# Altium PCB drive.PcbDoc (part 1 of 2)
Units mm, origin at the board's own origin, x right, y up, seen from the top; angles counter-clockwise.
Board outline 250 x 128 mm, 2 copper layers (Top Layer, Bottom Layer); 178 components, 157 nets, 674 pads, 176 vias.
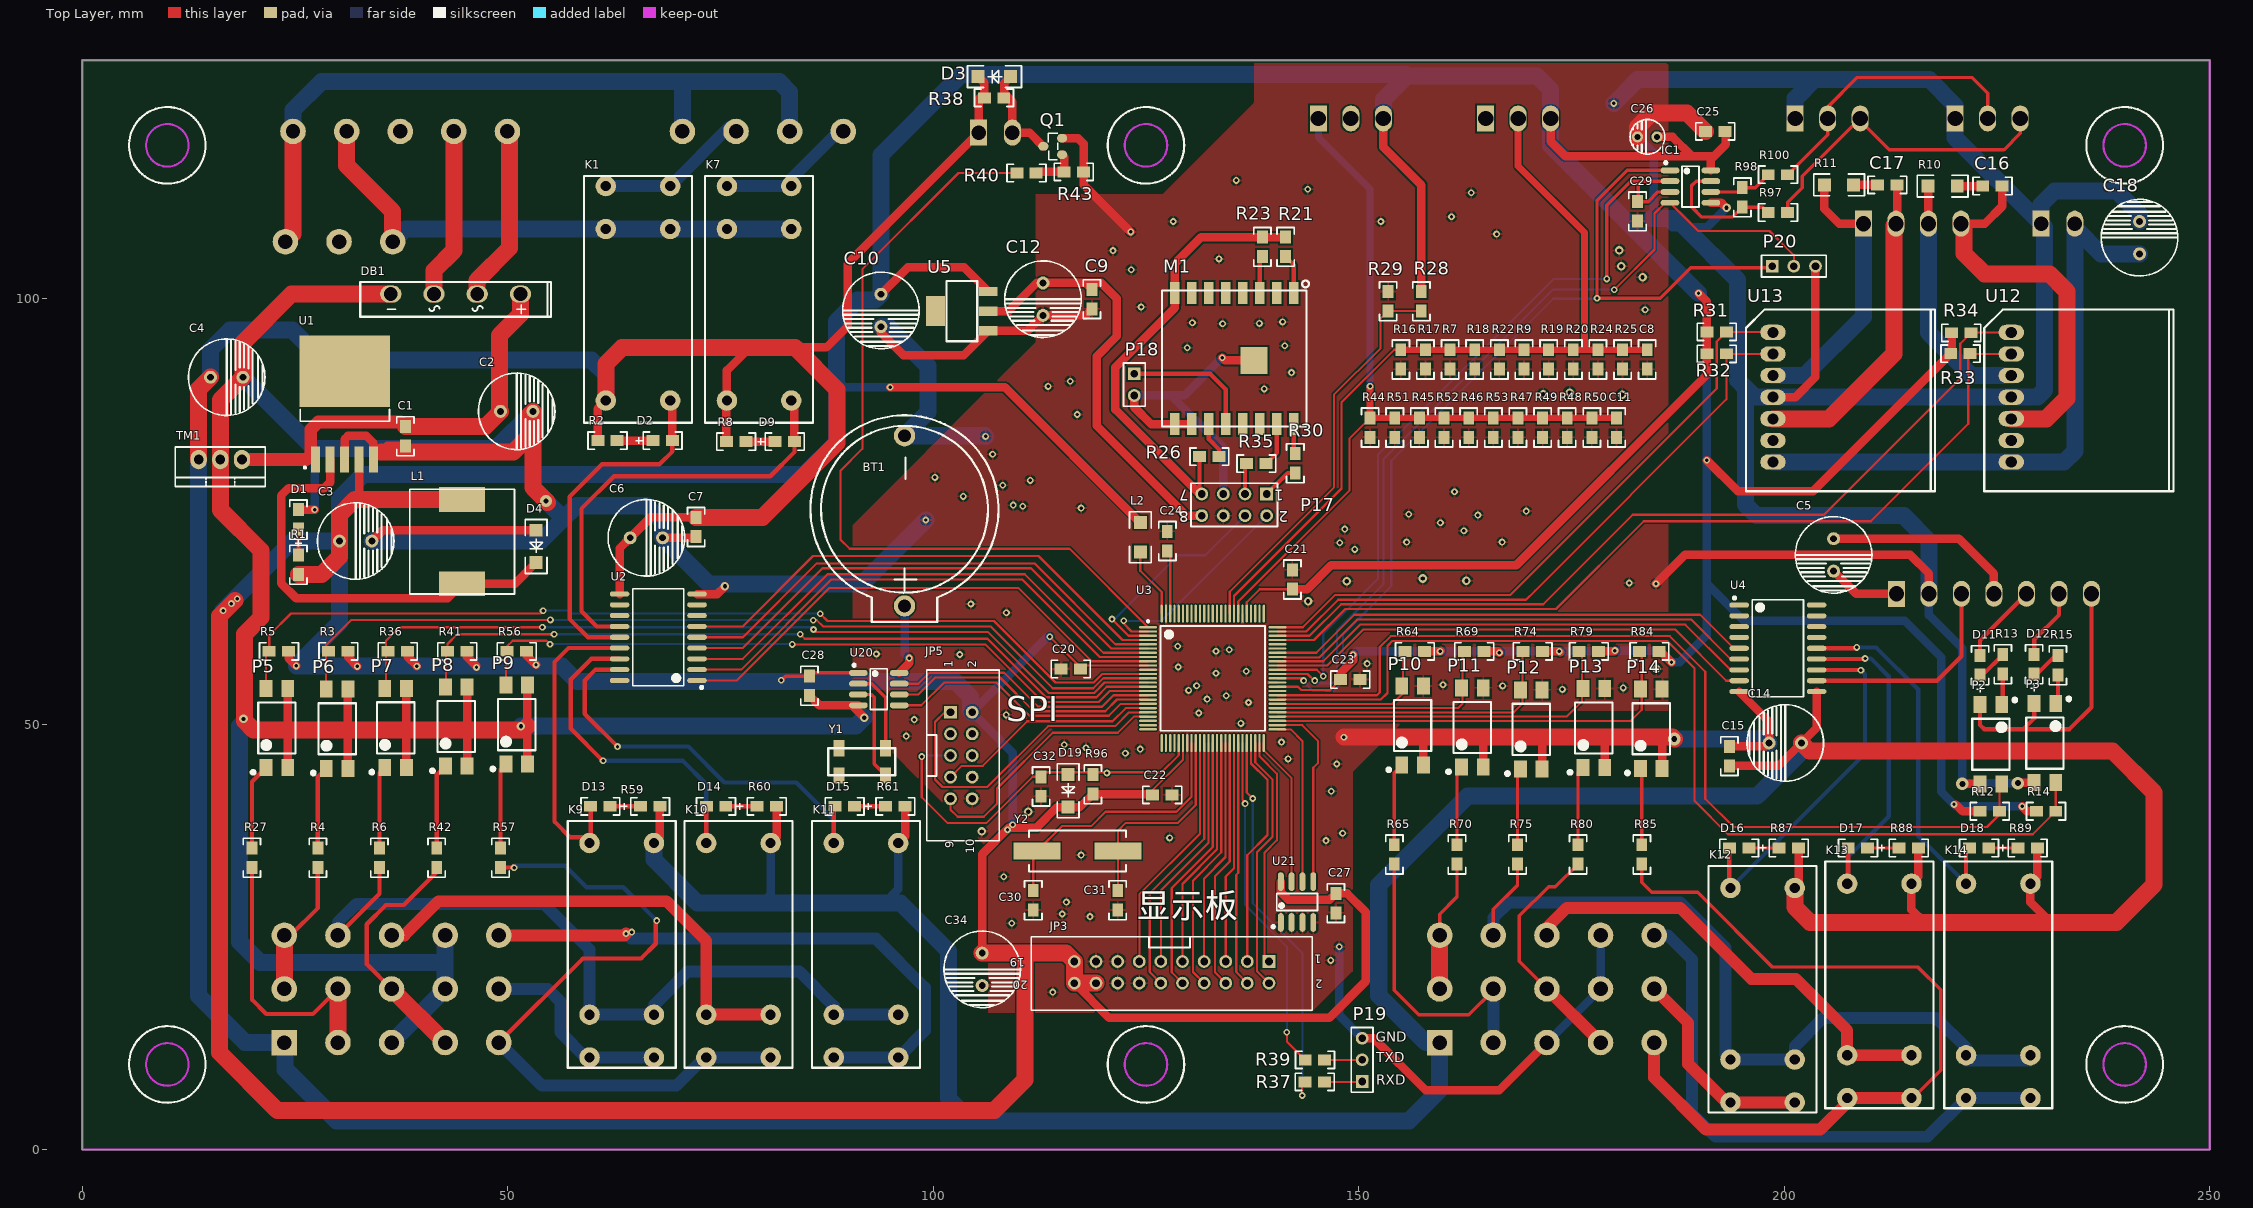
[diagram p0: Top Layer view]
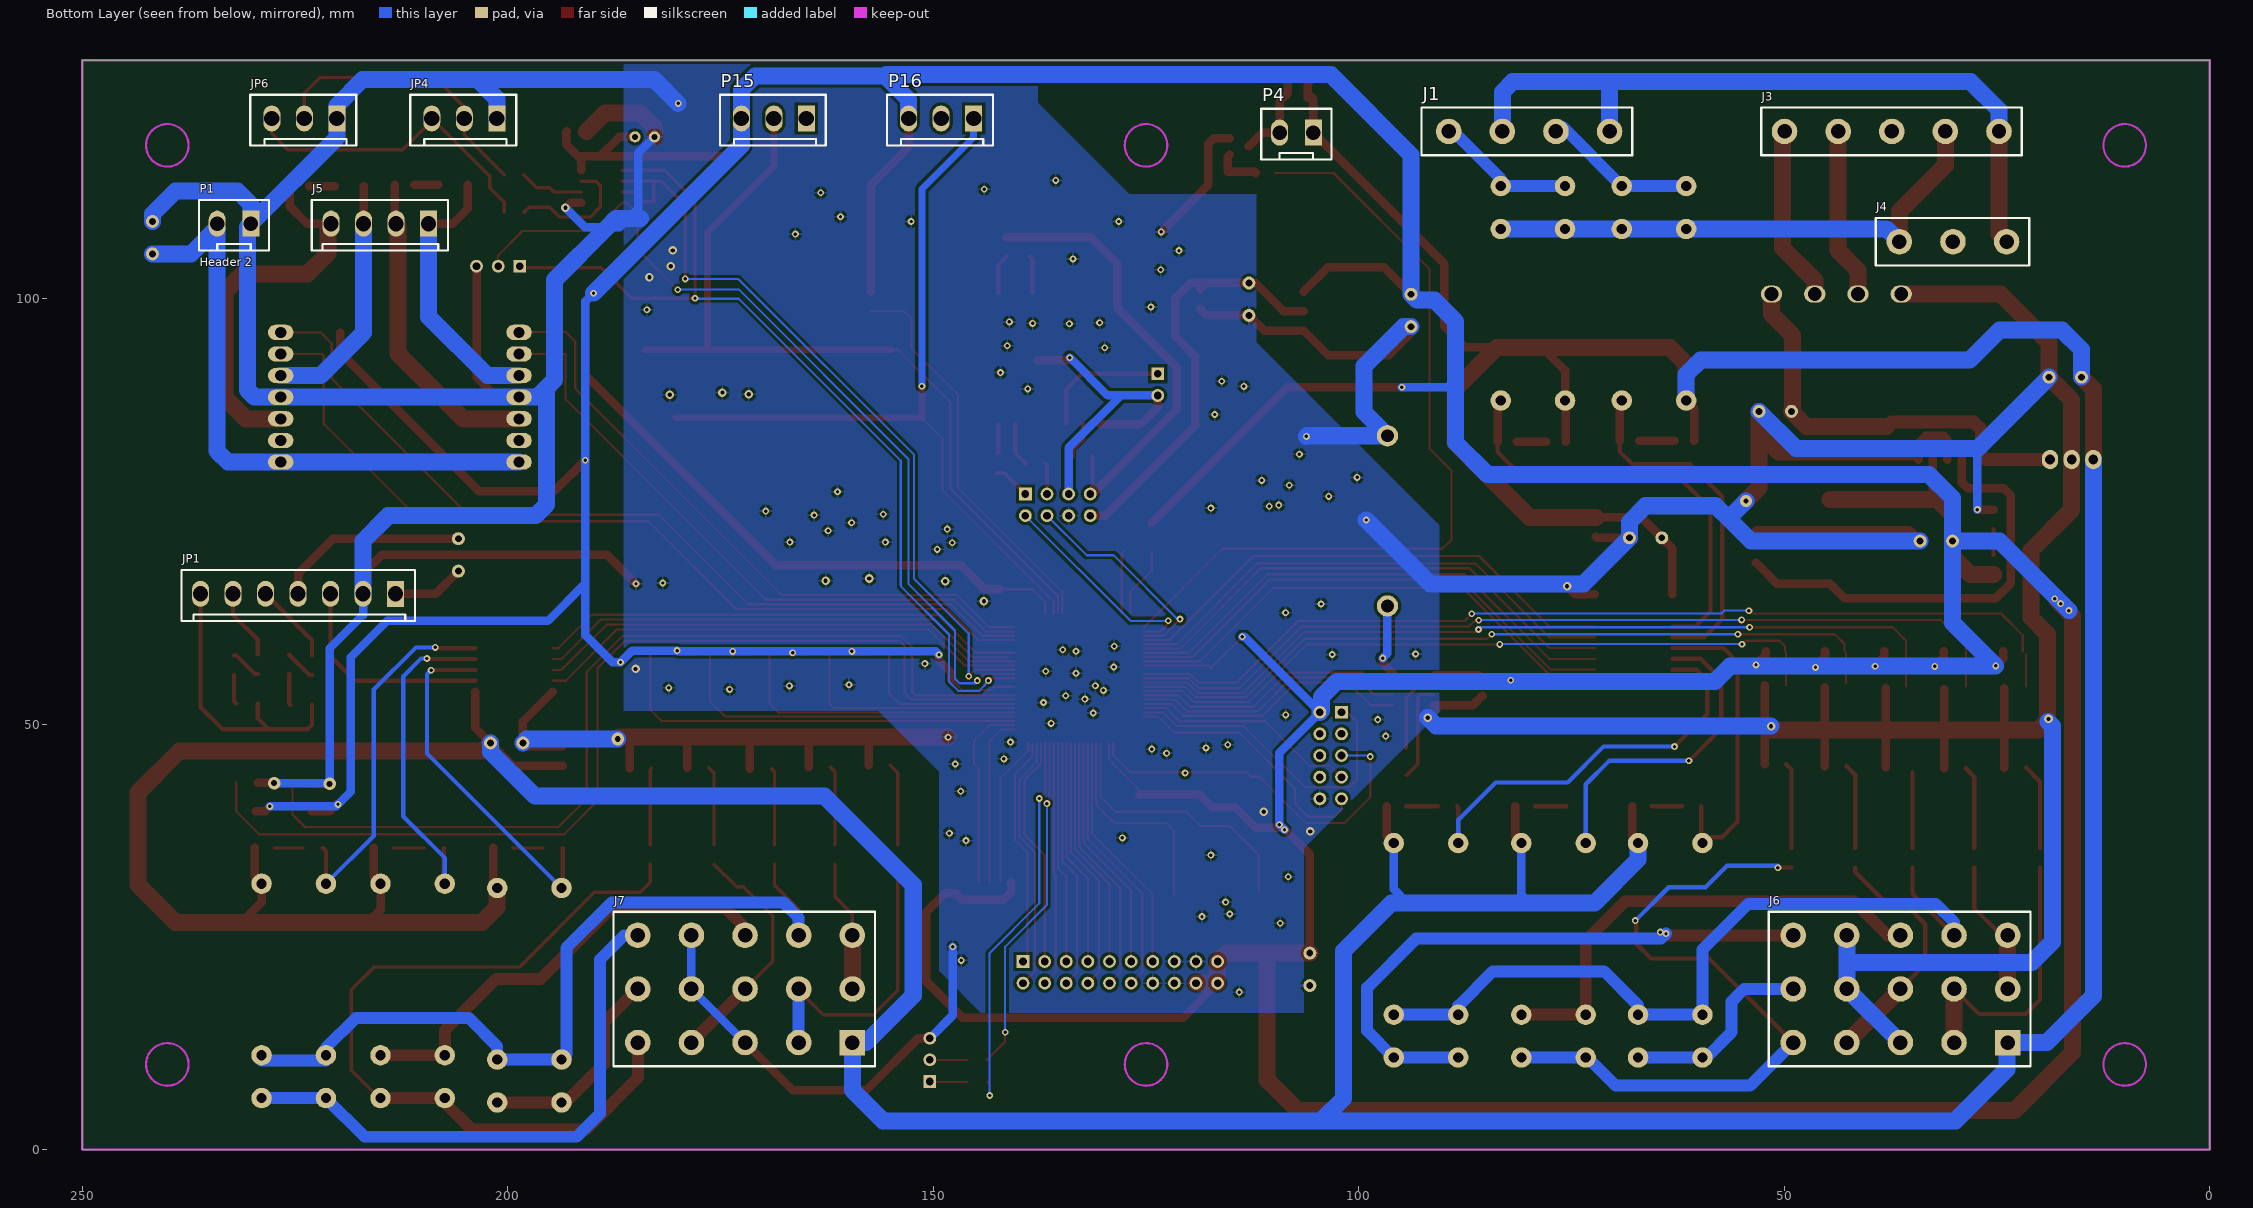
[diagram p1: Bottom Layer view, seen from below]

## Layer stack, top to bottom
Top Solder: solder mask 0.0102, Solder Resist, Dk 3.5
Top Layer: signal copper 0.0356
Dielectric1: dielectric 0.32, FR-4, Dk 4.8
Bottom Layer: signal copper 0.0356
Bottom Solder: solder mask 0.0102, Solder Resist, Dk 3.5

## Board outline
0,0 0,128 250,128 250,0

## Design rules (kind name [scope] priority, off if disabled: settings)
Clearance [All] p1: gap=0.2
ComponentClearance [All] p1 off: gap=0.254 collisioncheckmode=3 verticalgap=0.254 showdistances=FALSE
PlaneConnect [All] p1: planeconnectstyle=Direct reliefexpansion=0.508 reliefentries=4 reliefconductorwidth=0.254 reliefairgap=0.254
PolygonConnect [All] p1: connectstyle=Relief reliefconductorwidth=0.254 reliefentries=4 polygonreliefangle="90 Angle" airgapwidth=0.254
RoutingVias [All] p1: holewidth=0.711 width=1.27 viastyle="Through Hole" minholewidth=0.711 minwidth=1.27 maxholewidth=0.711 maxwidth=1.27
SilkToSolderMaskClearance SilkscreenOverComponentPads [IsPad] p1: minsilkscreentomaskgap=0.254 clearancetoexposedcopper=TRUE
SolderMaskExpansion [All] p1: expansion=0.102
Width [All] p1: maxlimit=5 minlimit=0.254 preferedwidth=0.3 minimp=50.000000 maximp=50.000000 favimp=50.000000
27 further rules are at their usual default settings.

## Components (designator, comment, footprint, x,y, rotation, side; value= is the part's Value field where it differs from the comment)
BT1 "干电池" BAT-TH_BS-2-1 96.625,73.875 r0 top
C1 "104" 0805 37.973,82.677 r90 top
C2 "470UF/50V" CD9 50.8,86.741 r90 top
C3 "220uF" CD9 31.877,71.501 r90 top
C4 "470UF" CD9 16.725,90.75 r90 top
C5 "220uF" CD9 205.8,70.125 r0 top
C6 "220uF" CD9 66.04,71.882 r90 top
C7 "104" 0805 72.136,72.009 r90 top
C8 "103" 0805 183.896,91.694 r90 top
C9 "104" 0805 118.65,101.075 r270 top
C10 "470UF/50V" CD9 93.85,98.85 r0 top
C11 "103" 0805 180.289,83.693 r90 top
C12 "470UF/50V" CD9 112.9,100.175 r0 top
C14 "220uF" CD9 200.375,47.775 r270 top
C15 "104" 0805 193.548,47.371 r270 top
C16 "104" 0805 223.325,113.225 r0 top
C17 "104" 0805 210.975,113.35 r0 top
C18 "470uF/50V" CD9 241.75,106.9 r180 top
C20 "104" 0805 115.011,56.464 r0 top
C21 "104" 0805 142.2,68.125 r270 top
C22 "104" 0805 128.05,41.675 r180 top
C23 "104" 0805 150.15,55.225 r180 top
C24 "104" 0805 127.508,72.644 r270 top
C25 "104" 0805 193.04,119.634 r180 top
C26 "10UF/25V" cap 183.769,119.126 r0 top
C27 "104" 0805 147.32,27.813 r90 top
C28 "104" 0805 85.45,53.35 r90 top
C29 "104" 0805 182.753,109.093 r90 top
C30 "22pf" 0805 111.75,28.15 r90 top
C31 "22pf" 0805 121.675,28.15 r90 top
C32 "104" 0805 112.67,41.514 r90 top
C34 "470UF/50V" CD9 105.75,21.425 r0 top
D1 "04" LED-T 25.527,74.041 r90 top
D2 "04" LED-T 68.199,83.185 r0 top
D3 "IN4148" DO-214AC 106.175,126.45 r90 top
D4 "IN5819" DO-214AC 52.959,69.85 r180 top
D9 "04" LED-T 82.55,83.058 r0 top
D11 "04" LED-T 223.139,56.896 r90 top
D12 "04" LED-T 229.489,57.023 r90 top
D13 "04" LED-T 60.885,40.455 r180 top
D14 "04" LED-T 74.474,40.455 r180 top
D15 "04" LED-T 89.587,40.455 r180 top
D16 "04" LED-T 194.691,35.56 r180 top
D17 "04" LED-T 208.661,35.56 r180 top
D18 "04" LED-T 222.885,35.56 r180 top
D19 "1N4148" DO-214AC 115.464,41.133 r180 top
DB1 "DB157S" LC-GBU 43.875,100.525 r0 top
IC1 "MAX458" SOIC-8_150mil 188.976,113.157 r270 top
J1 "CON4" 4PIN-6.3 70.525,119.634 r0 bottom
J3 "变压器入" 5PIN-6.3 24.765,119.634 r0 bottom
J4 "220V供电" 3PIN-6.3 23.876,106.68 r0 bottom
J5 "CON4" "4PIN 3.96" 213.125,108.8 r0 bottom
J6 "3*15JR" 3*5PIN-6.3 23.749,12.573 r0 bottom
J7 "3*15JR" 3*5PIN-6.3 159.512,12.573 r0 bottom
JP1 "HEADER 7" "7PIN 3.96" 217,65.3 r0 bottom
JP3 "HEADER 10X2" HDR2X10 139.446,22.098 r180 top
JP4 "RS485" "3PIN 3.96" 205.105,121.158 r0 bottom
JP5 "排针" "HDR2X5 - duplicate - duplicate" 102.032,51.384 r270 top
JP6 "RS485" "3PIN 3.96" 223.901,121.158 r0 bottom
K1 "HF115F/024-1HS3" HF115FA 69.088,88.011 r90 top
K7 "HF115F/024-1HS3" HF115FA 83.312,88.011 r90 top
K9 "HF115F/024-1HS3" HF115FA 59.615,36.01 r270 top
K10 "HF115F/024-1HS3" HF115FA 73.331,36.01 r270 top
K11 "HF115F/024-1HS3" HF115FA 88.317,36.01 r270 top
K12 "HF115F/024-1HS3" HF115FA 193.675,30.734 r270 top
K13 "HF115F/024-1HS3" HF115FA 207.391,31.242 r270 top
K14 "HF115F/024-1HS3" HF115FA 221.361,31.242 r270 top
L1 "330uH" SMD331 38.481,65.278 r0 top
L2 "10uH" 1206 124.333,70.231 r90 top
M1 "ESP-07S Module" "ESP-07S Module" 134.6,92.95 r270 top
P1 "Header 2" "2PIN 3.96" 234.137,108.8 r0 bottom
P2 "PC817" LC-SMD-4 224.282,47.625 r270 top
P3 "PC817" LC-SMD-4 230.632,47.752 r270 top
P4 "Header 2" "2PIN 3.96" 109.3,119.5 r0 bottom
P5 "PC817" LC-SMD-4 22.875,49.525 r90 top
P6 "PC817" LC-SMD-4 29.95,49.45 r90 top
P7 "PC817" LC-SMD-4 36.825,49.55 r90 top
P8 "PC817" LC-SMD-4 43.95,49.7 r90 top
P9 "PC817" LC-SMD-4 51.05,49.925 r90 top
P10 "PC817" LC-SMD-4 156.325,49.825 r90 top
P11 "PC817" LC-SMD-4 163.35,49.6 r90 top
P12 "PC817" LC-SMD-4 170.275,49.375 r90 top
P13 "PC817" LC-SMD-4 177.625,49.525 r90 top
P14 "PC817" LC-SMD-4 184.375,49.45 r90 top
P15 "Header 3" "3PIN 3.96" 168.725,121.158 r0 bottom
P16 "Header 3" "3PIN 3.96" 149.075,121.158 r0 bottom
P17 "Header 4X2" HDR2X4 139.175,77.025 r180 top
P18 "Header 2" HDR1X2 123.625,91.15 r270 top
P19 "串口打印" HDR1X3 150.4,8 r90 top
P20 "串口打印" HDR1X3 198.585,103.8 r0 top
Q1 "8050" "SOT-23 - duplicate" 113.975,117.825 r90 top
R1 "2K" 0805 25.4,69.85 r270 top
R2 "10k" 0805 62.865,83.312 r180 top
R3 "10k" 0805 28.956,58.547 r0 top
R4 "4.7K" 0805 27.686,33.147 r90 top
R5 "10k" 0805 21.971,58.547 r0 top
R6 "4.7K" 0805 34.925,33.147 r90 top
R7 "47K" 0805 160.731,91.694 r90 top
R8 "10k" 0805 77.978,83.185 r180 top
R9 "47K" 0805 169.418,91.694 r90 top
R10 "22" 1206 216.9,113.2 r0 top
R11 "22" 1206 204.725,113.35 r0 top
R12 "10k" 0805 223.012,39.751 r0 top
R13 "4.7K" 0805 225.679,58.166 r270 top
R14 "10k" 0805 229.616,39.751 r0 top
R15 "4.7K" 0805 232.156,58.039 r270 top
R16 "47K" 0805 154.94,91.694 r90 top
R17 "47K" 0805 157.836,91.694 r90 top
R18 "47K" 0805 163.627,91.694 r90 top
R19 "47K" 0805 172.314,91.694 r90 top
R20 "47K" 0805 175.209,91.694 r90 top
R21 "4.7K" 0805 141.4,104.925 r90 top
R22 "47K" 0805 166.522,91.694 r90 top
R23 "4.7K" 0805 138.675,104.925 r90 top
R24 "47K" 0805 178.105,91.694 r90 top
R25 "47K" 0805 181,91.694 r90 top
R26 "4.7K" 0805 131.3,81.425 r0 top
R27 "4.7K" 0805 19.939,33.147 r90 top
R28 "10K" 0805 157.35,98.525 r90 top
R29 "NTC" 0805 153.45,100.825 r270 top
R30 "510" 0805 142.539,79.501 r90 top
R31 "5K1" 0805 193.2,96.075 r180 top
R32 "5K1" 0805 193.2,93.5 r180 top
R33 "5K1" 0805 221.85,93.525 r180 top
R34 "5K1" 0805 221.95,95.975 r180 top
R35 "510" 0805 136.825,80.6 r0 top
R36 "10k" 0805 35.941,58.547 r0 top
R37 "510" 0805 145.975,7.95 r180 top
R38 "10K" 0805 108.286,123.575 r180 top
R39 "510" 0805 146,10.525 r180 top
R40 "470" 0805 109.814,114.75 r0 top
R41 "10k" 0805 42.926,58.547 r0 top
R42 "4.7K" 0805 41.656,33.147 r90 top
R43 "10K" 0805 117.661,114.875 r180 top
R44 "47K" 0805 151.333,83.693 r90 top
R45 "47K" 0805 157.124,83.693 r90 top
R46 "47K" 0805 162.916,83.693 r90 top
R47 "47K" 0805 168.707,83.693 r90 top
R48 "47K" 0805 174.498,83.693 r90 top
R49 "47K" 0805 171.602,83.693 r90 top
R50 "47K" 0805 177.394,83.693 r90 top
R51 "47K" 0805 154.229,83.693 r90 top
R52 "47K" 0805 160.02,83.693 r90 top
R53 "47K" 0805 165.811,83.693 r90 top
R56 "10k" 0805 49.911,58.547 r0 top
R57 "4.7K" 0805 49.149,33.147 r90 top
R59 "10k" 0805 65.584,40.328 r0 top
R60 "10k" 0805 79.3,40.328 r0 top
R61 "10k" 0805 94.413,40.328 r0 top
R64 "10k" 0805 155.448,58.532 r0 top
R65 "4.7K" 0805 154.178,33.528 r90 top
R69 "10k" 0805 162.433,58.532 r0 top
R70 "4.7K" 0805 161.544,33.528 r90 top
R74 "10k" 0805 169.291,58.532 r0 top
R75 "4.7K" 0805 168.656,33.528 r90 top
R79 "10k" 0805 175.895,58.532 r0 top
R80 "4.7K" 0805 175.768,33.528 r90 top
R84 "10k" 0805 183.007,58.532 r0 top
R85 "4.7K" 0805 183.261,33.528 r90 top
R87 "10k" 0805 199.39,35.433 r0 top
R88 "10k" 0805 213.487,35.433 r0 top
R89 "10k" 0805 227.457,35.433 r0 top
R96 "10k" 0805 118.766,44.054 r270 top
R97 "20" 0805 198.12,110.109 r0 top
R98 "120" 0805 195.072,110.744 r90 top
R100 "20" 0805 198.12,114.554 r0 top
TM1 "LM7824CT" TO-220 16.225,81.075 r180 top
U1 "LM2575-5" D2PAK 37.211,89.535 r90 top
U2 "ULN2803" SOP-18_300mil 67.691,60.198 r90 top
U3 "ATmega2560" TQFP100 132.842,55.372 r0 top
U4 "ULN2803" SOP-18_300mil 199.25,58.9 r270 top
U5 "AMS1117-3.3_C166063" SOT-223_L6.7-W3.5-P2.30-BR 103.375,98.525 r0 top
U12 "TB6643KQ" "TA8428 - S" 226.675,96.025 r270 top
U13 "TB6643KQ" "TA8428 - S" 198.675,96.025 r270 top
U20 "DS1302" SOIC-8_150mil 93.599,54.102 r270 top
U21 "AT24C02" SOIC-8_150mil 142.748,29.083 r0 top
Y1 "X803832768KGD4GI" YSX306 94.4,47.15 r180 top
Y2 "14.7456MHZ" HC-49SMD 116.95,35.075 r0 top

## Footprints (in the part's own frame and the unit in brackets; to place one, negate y for a bottom-side part, rotate by r counter-clockwise, add the part's x,y. Pads: shape width x height; smd on the part's side, far side on the other; paste and mask are expansions set on the pad)
"2PIN 3.96" [mm]
  rect 2x3.048 hole 1.7: 1(-3.96,0)
  oval 2x3.048 hole 1.7: 2(0,0)
  silkscreen extent -6.1,-2.79 2.16,3.17
3*5PIN-6.3 [mm]
  rect 3x3 hole 1.7: 1(0,0)
  round 3 hole 1.7: 2(6.3,0) 3(12.6,0) 4(18.9,0) 5(25.2,0) 6(0,-6.3) 7(6.3,-6.3) 8(12.6,-6.3) 9(18.9,-6.3) 10(25.2,-6.3) 11(0,-12.6) 12(6.3,-12.6) 13(12.6,-12.6) 14(18.9,-12.6) 15(25.2,-12.6)
  silkscreen extent -2.67,-15.37 28.07,2.79
"3PIN 3.96" [mm]
  rect 2x3.048 hole 1.8: 1(-3.82,0)
  oval 2x3.048 hole 1.8: 2(0,0) 3(3.82,0)
  silkscreen extent -6.1,-2.79 6.35,3.17
3PIN-6.3 [mm]
  round 3 hole 1.7: 1(0,0) 2(6.3,0) 3(12.6,0)
  silkscreen extent -2.67,-2.79 15.37,2.79
"4PIN 3.96" [mm]
  rect 2x3.048 hole 1.8: 1(-3.82,0)
  oval 2x3.048 hole 1.8: 2(0,0) 3(3.82,0) 4(7.64,0)
  silkscreen extent -6.1,-2.79 9.91,3.17
4PIN-6.3 [mm]
  round 3 hole 1.7: 1(0,0) 2(6.3,0) 3(12.6,0) 4(18.9,0)
  silkscreen extent -2.67,-2.79 22.1,2.79
5PIN-6.3 [mm]
  round 3 hole 1.7: 1(0,0) 2(6.3,0) 3(12.6,0) 4(18.9,0) 5(25.2,0)
  silkscreen extent -2.67,-2.79 27.94,2.79
"7PIN 3.96" [mm]
  rect 2x3.048 hole 1.8: 1(-3.82,0)
  oval 2x3.048 hole 1.8: 2(0,0) 3(3.82,0) 4(7.64,0) 5(11.46,0) 6(15.28,0) 7(19.1,0)
  silkscreen extent -6.1,-2.79 21.34,3.17
0805 [mil]
  rect 60x50 smd: 1(0,0) 2(90,0)
  silkscreen extent -45,-40 135,40
1206 [mil]
  rect 60x60 smd: 1(0,0) 2(135,0)
  silkscreen extent -50,-50 185,50
BAT-TH_BS-2-1 [mm]
  round 2.5 hole 1.5: 1(0,-10) 2(0,10)
  silkscreen extent -11.05,-11.9 11.04,12.4
cap [mm] "电?"
  round 1.3 hole 0.7: 1(1.27,-0.127) 2(-1.016,-0.127)
  silkscreen extent -1.89,-2.17 2.19,1.91, body extent -1.96,-2.23 2.23,1.97, height 8
CD9 [mil]
  round 60 hole 31.5: 1(0,65) 2(0,-85)
  silkscreen extent -177,-187 177,167, body extent -181,-191 181,171, height 50
D2PAK [mm] "LM-2575"
  rect 3.05x1.05 smd: 1(-8.451,9.779) 2(-8.451,8.077) 3(-8.451,6.375) 4(-8.451,4.673) 5(-8.451,2.971)
  rect 8.4x10.65 smd: ""(1.899,6.35)
  silkscreen extent -9.52,1.1 -2.57,11.6, body extent -8.7,1.47 5.7,11.47, height 4.21
DO-214AC [mil]
  rect 60x60 smd: 1(-15,-115) 2(-15,35)
  silkscreen extent -65,-165 35,85
"ESP-07S Module" [mm]
  rect 3.2x3.2 smd: 0(0.22,3.092)
  rect 2.6x1.1 smd: 1(-7.7,7.775) 2(-7.7,5.762) 3(-7.7,3.775) 4(-7.7,1.775) 5(-7.7,-0.225) 6(-7.7,-2.225) 7(-7.7,-4.225) 8(-7.7,-6.225) 9(7.7,-6.225) 10(7.7,-4.225) 11(7.7,-2.225) 12(7.7,-0.225) 13(7.7,1.775) 14(7.7,3.775) 15(7.7,5.775) 16(7.7,7.769)
  silkscreen extent -9.16,-7.73 8,9.55
HC-49SMD [mm]
  rect 5.5x2 smd: 1(-4.75,0) 2(4.75,0)
  silkscreen extent -5.7,-2.4 5.7,2.4, body extent -6.7,-2.46 6.7,2.44, height 4
HDR1X2 [mm] "Connector; Header; 2 Position"
  rect 1.5x1.5 hole 0.9: 1(0,0)
  round 1.5 hole 0.9: 2(2.54,0)
  silkscreen extent -1.27,-1.27 3.81,1.27
HDR1X3 [mm] "Connector; Header; 3 Position"
  rect 1.5x1.5 hole 0.9: 1(0,0)
  round 1.5 hole 0.9: 2(2.54,0) 3(5.08,0)
  silkscreen extent -1.27,-1.27 6.35,1.27
HDR2X4 [mm] "Connector; Header; 4x2 Position"
  rect 1.5x1.5 hole 0.9: 1(0,0)
  round 1.5 hole 0.9: 2(0,2.54) 3(2.54,0) 4(2.54,2.54) 5(5.08,0) 6(5.08,2.54) 7(7.62,0) 8(7.62,2.54)
  silkscreen extent -1.27,-1.27 8.89,3.81
"HDR2X5 - duplicate - duplicate" [mm] "Connector; Header; 5x2 Position"
  rect 1.5x1.5 hole 0.9: 1(0,0)
  round 1.5 hole 0.9: 2(0,2.54) 3(2.54,0) 4(2.54,2.54) 5(5.08,0) 6(5.08,2.54) 7(7.62,0) 8(7.62,2.54) 9(10.16,0) 10(10.16,2.54)
  silkscreen extent -4.95,-2.79 15.11,5.72, body extent -4.79,-3.18 15.21,5.32, height 9
HDR2X10 [mm] "Connector; Header; 10x2 Position"
  rect 1.5x1.5 hole 0.9: 1(0,0)
  round 1.5 hole 0.9: 2(0,2.54) 3(2.54,0) 4(2.54,2.54) 5(5.08,0) 6(5.08,2.54) 7(7.62,0) 8(7.62,2.54) 9(10.16,0) 10(10.16,2.54) 11(12.7,0) 12(12.7,2.54) 13(15.24,0) 14(15.24,2.54) 15(17.78,0) 16(17.78,2.54) 17(20.32,0) 18(20.32,2.54) 19(22.86,0) 20(22.86,2.54)
  silkscreen extent -5.08,-2.92 27.94,5.72
HF115FA [mm]
  round 2.4 hole 1.2: 1(20.16,7.56) 2(25.2,7.56) 3(20.16,0) 4(25.2,0) 5(0,7.56) 6(0,0)
  silkscreen extent -2.6,-2.57 26.4,10.13
LC-GBU [mm]
  oval 2.5x2 hole 1.6: 1(-2.54,0) 2(2.54,0) 3(7.62,0) 4(-7.62,0)
  silkscreen extent -11.2,-2.67 11.2,1.4
LC-SMD-4 [mm]
  rect 2x1.5 smd: 1(-4.65,1.27) 2(-4.65,-1.27) 3(4.65,-1.27) 4(4.65,1.27)
  silkscreen extent -5.4,-2.2 3,3, body extent -5.02,-2.42 5.01,2.42, height 3.9
LED-T [mil]
  rect 60x50 smd: 1(-45,5) 2(45,5)
  silkscreen extent -125,-35 90,45, body extent -34,-20 44,30, height 28
SMD331 [mm]
  rect 5.4x2.9 smd: 1(6.15,1.2) 2(6.15,11.1)
  silkscreen extent 0,0 12.32,12.32
SOIC-8_150mil [mm]
  oval 0.7x2.2 smd: 1(-1.905,-2.4) 2(-0.635,-2.4) 3(0.635,-2.4) 4(1.905,-2.4) 5(1.905,2.4) 6(0.635,2.4) 7(-0.635,2.4) 8(-1.905,2.4)
  silkscreen extent -2.95,-3.05 2.4,1
SOP-18_300mil [mm]
  oval 0.6x2.3 smd: 1(-5.08,-4.55) 2(-3.81,-4.55) 3(-2.54,-4.55) 4(-1.27,-4.55) 5(0,-4.55) 6(1.27,-4.55) 7(2.54,-4.55) 8(3.81,-4.55) 9(5.08,-4.55) 10(5.08,4.55) 11(3.81,4.55) 12(2.54,4.55) 13(1.27,4.55) 14(0,4.55) 15(-1.27,4.55) 16(-2.54,4.55) 17(-3.81,4.55) 18(-5.08,4.55)
  silkscreen extent -6.05,-5.25 5.7,3
"SOT-23 - duplicate" [mil]
  oval 40x47.24 smd: B(-35.98,-45.98) C(2.01,40.98) E(40,-45.98)
  silkscreen extent -59,-26 62,18
SOT-223_L6.7-W3.5-P2.30-BR [mm]
  rect 2.2x1.1 smd: 1(3.099,-2.3) 2(3.099,0) 3(3.099,2.3)
  rect 2.2x3.5 smd: 4(-3.099,0)
  silkscreen extent -1.8,-3.55 1.8,3.55
"TA8428 - S" [mm]
  oval 1.8x3 hole 1.3: 1(0,0) 2(2.54,0) 3(5.08,0) 4(7.62,0) 5(10.16,0) 6(12.7,0) 7(15.24,0)
  silkscreen extent -2.67,-3.17 18.67,19.05
TO-220 [mil]
  oval 75x90 hole 45: 1(-100,0) 2(0,0) 3(100,0)
  silkscreen extent -208,-58 208,125
TQFP100 [mm]
  oval 2.1x0.275 smd: 1(-7.6,6) 2(-7.6,5.5) 3(-7.6,5) 4(-7.6,4.5) 5(-7.6,4) 6(-7.6,3.5) 7(-7.6,3) 8(-7.6,2.5) 9(-7.6,2) 10(-7.6,1.5) 11(-7.6,1) 12(-7.6,0.5) 13(-7.6,0) 14(-7.6,-0.5) 15(-7.6,-1) 16(-7.6,-1.5) 17(-7.6,-2) 18(-7.6,-2.5) 19(-7.6,-3) 20(-7.6,-3.5) 21(-7.6,-4) 22(-7.6,-4.5) 23(-7.6,-5) 24(-7.6,-5.5) 25(-7.6,-6) 51(7.6,-6) 52(7.6,-5.5) 53(7.6,-5) 54(7.6,-4.5) 55(7.6,-4) 56(7.6,-3.5) 57(7.6,-3) 58(7.6,-2.5) 59(7.6,-2) 60(7.6,-1.5) 61(7.6,-1) 62(7.6,-0.5) 63(7.6,0) 64(7.6,0.5) 65(7.6,1) 66(7.6,1.5) 67(7.6,2) 68(7.6,2.5) 69(7.6,3) 70(7.6,3.5) 71(7.6,4) 72(7.6,4.5) 73(7.6,5) 74(7.6,5.5) 75(7.6,6)
  oval 0.275x2.1 smd: 26(-6,-7.6) 27(-5.5,-7.6) 28(-5,-7.6) 29(-4.5,-7.6) 30(-4,-7.6) 31(-3.5,-7.6) 32(-3,-7.6) 33(-2.5,-7.6) 34(-2,-7.6) 35(-1.5,-7.6) 36(-1,-7.6) 37(-0.5,-7.6) 38(0,-7.6) 39(0.5,-7.6) 40(1,-7.6) 41(1.5,-7.6) 42(2,-7.6) 43(2.5,-7.6) 44(3,-7.6) 45(3.5,-7.6) 46(4,-7.6) 47(4.5,-7.6) 48(5,-7.6) 49(5.5,-7.6) 50(6,-7.6) 76(6,7.6) 77(5.5,7.6) 78(5,7.6) 79(4.5,7.6) 80(4,7.6) 81(3.5,7.6) 82(3,7.6) 83(2.5,7.6) 84(2,7.6) 85(1.5,7.6) 86(1,7.6) 87(0.5,7.6) 88(0,7.6) 89(-0.5,7.6) 90(-1,7.6) 91(-1.5,7.6) 92(-2,7.6) 93(-2.5,7.6) 94(-3,7.6) 95(-3.5,7.6) 96(-4,7.6) 97(-4.5,7.6) 98(-5,7.6) 99(-5.5,7.6) 100(-6,7.6)
  silkscreen extent -7.72,-6.15 6.15,6.82, body extent -8,-8 8,8, height 1.2
YSX306 [mm]
  rect 1.3x1.9 smd: 0(5.5,3.2) 0(5.5,0) 1(0,0) 2(0,3.2)
  silkscreen extent -1.14,0 6.73,3.18

## Part data
BT1: "Battery"
C1 C7 C8 C11 C15 C16 C17 C20 C21 C22 C23 C24 C25 C27 C28 C29 C30 C31 C32: library part Cap, "Capacitor"
C2 C3 C4 C5 C6 C14 C18 C26 C34: library part "Cap Pol1", "Polarized Capacitor (Radial)"
C9: library part CAP
C10 C12: library part ECAP
D1 D2 D9 D11 D12 D13 D14 D15 D16 D17 D18: library part LED0, "Typical INFRARED GaAs LED"
D3 D4: library part "D Zener", "Zener Diode"
D19: library part "Diode 1N4148", "High Conductance Fast Diode"
DB1: library part BRIDGE2
IC1: library part MAX485
J1 J5: "Connector"
J3: library part CON5, "Connector"
J4: library part CON3, "Connector"
J6 J7 U12 U13: library part Component_1
JP4 JP6: library part "HEADER 3"
JP5: library part "Header 5X2", "Header, 5-Pin, Dual row"
K1 K7 K9 K10 K11 K12 K13 K14: library part RELAY-DPST
L1 L2: library part Inductor, "Inductor"
P1 P4 P18: "Header, 2-Pin"
P2 P3 P5 P6 P7 P8 P9 P10 P11 P12 P13 P14: library part P521
P15 P16: "Header, 3-Pin"
P17: "Header, 4-Pin, Dual row"
P19 P20: library part "Header 3", "Header, 3-Pin"
Q1: library part BC817-8050
R1 R2 R3 R4 R5 R6 R7 R8 R9 R10 R11 R12 R13 R14 R15 R16 R17 R18 R19 R20 R21 R22 R23 R24 R25 R26 R27 R30 R31 R32 R33 R34 R35 R36 R37 R38 R39 R40 R41 R42 R43 R44 R45 R46 R47 R48 R49 R50 R51 R52 R53 R56 R57 R59 R60 R61 R64 R65 R69 R70 R74 R75 R79 R80 R84 R85 R87 R88 R89 R96 R97 R98 R100: library part Res2, "Resistor"
R28 R29: library part RES
U1: library part LM2575
U3: library part ATmega1280
U5: library part AMS1117-1.5_C166063
U21: library part 24CXX
Y1 Y2: library part CRYSTAL, "Crystal"

## Via types
v1: diameter 0.8, hole 0.4, Top Layer to Bottom Layer, tented both sides, 154 vias
v2: diameter 1, hole 0.5, Top Layer to Bottom Layer, tented both sides, 18 vias
v3: diameter 1.5, hole 0.7, Top Layer to Bottom Layer, tented both sides, 3 vias
v4: diameter 1.4, hole 0.6, Top Layer to Bottom Layer, tented both sides, 1 vias

## Nets (pads, with @x,y where several pads share a name; then routed paths per layer and width w, separated by ;. In a path a pad name is that pad's centre, name@x,y a point inside that pad or via, vN(x,y) a via of type N, cw(c..) or ccw(c..) an arc to the next point about the centre after c; other vN are vias at no path point)
485-EN: C29.2 IC1.2 IC1.3 U3.65 | length 93.8
  Top Layer w0.254: U3.65@140.442,56.372 145.078,56.372 v1(145.825,55.625)
  Top Layer w0.4: v1(179.15,102.3) 179.15,110.975 181.967,113.792 182.825,113.792 ; C29.2@182.753,111.379 184.004,111.379 185.147,112.522 IC1.3@186.576,112.522 ; C29.2@182.825,111.451 182.825,113.792 ; IC1.2@186.576,113.792 182.825,113.792
  Bottom Layer w0.254: v1(145.825,55.625) 145.825,60.625 152.25,67.05 152.25,81.625 172.925,102.3 v1@179.225,102.3
485-RXD: IC1.1 P20.1 U3.63 | length 113
  Top Layer w0.254: U3.63@140.442,55.372 143.228,55.372 143.525,55.075 v1(143.525,55.1)
  Top Layer w0.4: IC1.1@186.576,115.062 181.537,115.062 178,111.525 v1(178,100.025) 185.425,100.025 189,103.6 198.385,103.6 P20.1@198.585,103.8
  Bottom Layer w0.254: v1(143.525,55.1) 143.525,55.075 143.95,54.65 143.95,54.55 144.6,53.9 147.075,53.9 148.15,54.975 148.15,60.525 153.825,66.2 153.825,80.95 172.85,99.975 v1@178.025,99.975
485-TXD: IC1.4 P20.2 U3.64 | length 102.9
  Top Layer w0.254: U3.64@140.442,55.872 143.978,55.872 144.825,55.025 v1(144.825,55.1) ; v1(180.025,101.025) 184.75,105.75 184.75,110 186.002,111.252 IC1.4@186.576,111.252 189.903,107.925 198.275,107.925 201.125,105.075 P20.2@201.125,103.8
  Bottom Layer w0.254: v1(144.825,55.1) 144.825,55.025 145.05,54.8 146.925,54.8 147.45,55.325 147.45,61 152.925,66.475 152.925,81.15 172.85,101.075 v1@180.025,101.075
+3.3V: C9.1 C12.1 P17.8 U5.2 | length 50.9
  Top Layer w1: U5.2@106.474,98.525 108.85,98.525 112.151,101.826 C12.1@112.9,101.826 117.899,101.826 ; C9.1@118.65,101.075 117.899,101.826 ; P17.8@131.555,74.485 129.765,74.485 119.225,85.025 119.225,93.225 121.55,95.55 121.55,100.025 119.749,101.826 117.899,101.826
AC24L: DB1.1 J3.4 | length 20.1
  Top Layer w2: DB1.1@41.335,100.525 41.335,103.285 43.665,105.615 J3.4@43.665,119.634
AC24N: DB1.2 J3.5 | length 20.8
  Top Layer w2: DB1.2@46.415,100.525 46.415,102.14 50.225,105.95 50.225,119.374 J3.5@49.965,119.634
AC230_L: J1.1 J1.3 J3.1 J4.1 | length 85.6
  Top Layer w2: J4.1@23.876,106.68 24.765,107.569 J3.1@24.765,119.634
  Bottom Layer w2: J3.1@24.765,119.634 24.765,122.14 28.1,125.475 70.275,125.475 ; J1.1@70.525,120.175 70.525,125.225 70.275,125.475 ; J1.3@83.125,120.175 83.125,124.275 81.925,125.475 70.275,125.475
AC230_N: J3.2 J4.3 K1.1 K1.3 K7.1 K7.3 | length 62.6
  Top Layer w2: J3.2@31.065,119.634 31.065,115.66 36.476,110.249 J4.3@36.476,106.68
  Bottom Layer w2: J4.3@36.476,106.68 37.967,108.171 K1.1@61.528,108.171 K1.3@69.088,108.171 K7.1@75.752,108.171 K7.3@83.312,108.171
ACOUTA: J1.2 K1.2 K1.4 | length 18.2
  Bottom Layer w1.4: K1.2@61.528,113.211 K1.4@69.088,113.211 76.052,120.175 J1.2@76.825,120.175
ACOUTB: J1.4 K7.2 K7.4 | length 17.1
  Bottom Layer w1.4: K7.2@75.752,113.211 K7.4@83.312,113.211 83.312,114.062 J1.4@89.425,120.175
ADC_NTC: R28.1 R29.2 U3.84 | length 47.2
  Top Layer w0.254: U3.84@134.842,62.972 134.842,65.542 147.075,77.775 147.075,88.675 152.575,94.175 152.575,97.664 R29.2@153.45,98.539 153.464,98.525 R28.1@157.35,98.525
AOT1: U2.1 U3.9 | length 61.1
  Top Layer w0.254: U2.1@72.241,55.118 76.918,55.118 87.8,66 109.997,66 118.625,57.372 U3.9@125.242,57.372
AOT2: U2.2 U3.8 | length 61.2
  Top Layer w0.254: U2.2@72.241,56.388 77.445,56.388 88.032,66.975 110.469,66.975 119.572,57.872 U3.8@125.242,57.872
AOT3: U2.3 U3.7 | length 60.9
  Top Layer w0.254: U2.3@72.241,57.658 77.622,57.658 87.564,67.6 110.759,67.6 119.987,58.372 U3.7@125.242,58.372
AOT4: U2.4 U3.6 | length 60.8
  Top Layer w0.254: U2.4@72.241,58.928 77.622,58.928 86.994,68.3 111.481,68.3 120.909,58.872 U3.6@125.242,58.872
AOT5: U2.5 U3.5 | length 60.5
  Top Layer w0.254: U2.5@72.241,60.198 77.648,60.198 86.325,68.875 111.897,68.875 121.4,59.372 U3.5@125.242,59.372
AOT6: U2.6 U3.4 | length 60.5
  Top Layer w0.254: U2.6@72.241,61.468 77.597,61.468 85.879,69.75 112.368,69.75 122.246,59.872 U3.4@125.242,59.872
AOT8: R40.1 U3.1 | length 96.1
  Top Layer w0.254: R40.1@109.814,114.75 102.975,114.75 91.675,103.45 91.675,82.35 89.1,79.775 89.1,71.662 90.175,70.587 116.027,70.587 U3.1@125.242,61.372
AREF: C24.2 U3.98 | length 7.5
  Top Layer w0.254: C24.2@127.508,70.358 127.842,70.024 U3.98@127.842,62.972
ASW_1: D2.2 K1.6 U2.14 | length 41.5
  Top Layer w0.5: U2.14@63.141,60.198 59.436,60.198 57.277,62.357 57.277,76.708 61.087,80.518 67.818,80.518 69.342,82.042 D2.2@69.342,83.312
  Top Layer w1: K1.6@69.088,88.011 69.342,87.757 D2.2@69.342,83.312
ASW_2: D9.2 K7.6 U2.13 | length 51.2
  Top Layer w0.5: U2.13@63.141,61.468 60.452,61.468 58.674,63.246 58.674,75.311 62.484,79.121 80.846,79.121 83.693,81.968 D9.2@83.693,83.185
  Top Layer w1: K7.6@83.312,88.011 83.693,87.63 D9.2@83.693,83.185
AVCC: L2.1 U3.100 | length 8.3
  Top Layer w0.254: L2.1@124.333,70.231 124.333,68.017 126.842,65.508 U3.100@126.842,62.972
DATA_INA: P2.4 R12.2 U3.59 | length 113.2
  Top Layer w0.254: U3.59@140.442,53.372 152.147,53.372 152.475,53.7 152.475,59.05 153.75,60.325 186.55,60.325 190.725,56.15 190.725,41.225 194.05,37.9 223.825,37.9 225.298,39.373 R12.2@225.298,39.751 225.298,42.721 P2.4@225.552,42.975
DATA_INB: P3.4 R14.2 U3.58 | length 120.6
  Top Layer w0.254: U3.58@140.445,52.875 152.6,52.875 153.375,53.65 153.375,59.175 153.975,59.775 186.225,59.775 189.45,56.55 189.45,40.975 193.375,37.05 229.201,37.05 R14.2@231.902,39.751 P3.4@231.902,43.102
DATA_OUT: JP1.3 U4.11 | length 25.5
  Top Layer w0.5: U4.11@203.8,55.09 217.94,55.09 220.82,57.97 JP1.3@220.82,65.3
DC24V: C4.1 C6.1 C7.2 C14.1 C15.2 D3.2 J6.1 J7.1 K1.5 K7.5 K9.5 K10.5 K11.5 K12.5 K13.5 K14.5 P4.1 R2.2 R8.2 R38.2 R59.2 R60.2 R61.2 R87.2 R88.2 R89.2 TM1.3 U2.10 U4.10 | length 740.9
  Top Layer w1: R2.2@60.579,83.312 60.579,87.062 K1.5@61.528,88.011 ; U2.10@63.141,65.278 63.141,70.634 C6.1@64.389,71.882 66.802,74.295 C7.2@72.136,74.295 ; K9.5@67.175,36.01 67.87,36.705 R59.2@67.87,40.328 ; R8.2@75.692,83.185 75.692,87.951 K7.5@75.752,88.011 75.752,91.552 78.45,94.25 ; K10.5@80.891,36.01 81.586,36.705 R60.2@81.586,40.328 ; 83.775,94.25 87.45,94.25 89.925,96.725 89.925,104.085 P4.1@105.34,119.5 105.34,123.426 R38.2@105.745,123.83 ; K11.5@95.877,36.01 96.699,36.832 R61.2@96.699,40.328 ; D3.2@105.286,126.069 106,125.355 R38.2@106,123.575 ; C15.2@193.548,45.085 199.336,45.085 C14.1@202.026,47.775 203.8,49.549 U4.10@203.8,53.82 ; K12.5@201.235,30.734 201.676,31.175 R87.2@201.676,35.433 ; R88.2@215.773,35.433 215.773,32.064 K13.5@214.951,31.242 214.951,28.199 216.45,26.7 ; R89.2@229.743,35.433 229.743,32.064 K14.5@228.921,31.242 228.921,29.054 231.275,26.7
  Top Layer w2: TM1.3@13.685,81.075 13.685,89.361 C4.1@15.074,90.75 ; K1.5@61.528,88.011 61.528,92.328 63.45,94.25 78.45,94.25 83.775,94.25 88.7,89.325 88.7,83.05 79.945,74.295 C7.2@72.136,74.295 ; K12.5@201.235,30.734 201.235,28.49 203.025,26.7 216.45,26.7 231.275,26.7 239.025,26.7 243.475,31.15 243.475,41.925 238.575,46.825 202.976,46.825 C14.1@202.026,47.775
  Bottom Layer w1: 79.925,28.975 80.891,29.941 K10.5@80.891,36.01 ; 94.275,28.975 95.877,30.577 K11.5@95.877,36.01
  Bottom Layer w2: TM1.3@13.685,81.075 13.685,18.04 19.152,12.573 J6.1@23.749,12.573 23.85,12.472 23.85,9.425 29.9,3.375 104.425,3.375 ; C4.1@15.074,90.75 15.074,93.999 17.35,96.275 24.7,96.275 28.225,92.75 59.85,92.75 61.528,91.072 K1.5@61.528,88.011 ; K9.5@67.175,36.01 67.175,34.075 72.275,28.975 79.925,28.975 94.275,28.975 96.15,28.975 101.8,23.325 101.8,6 104.425,3.375 ; C14.1@202.026,47.775 202.026,46.726 196.825,41.525 162.8,41.525 152.35,31.075 152.35,18.1 157.877,12.573 J7.1@159.512,12.573 159.512,6.987 155.9,3.375 104.425,3.375
E+3.3V: M1.8 P17.7 R21.2 R23.2 R26.1 | length 53.1
  Top Layer w0.5: R26.1@131.3,81.425 131.3,77.28 P17.7@131.555,77.025
  Top Layer w1: P17.7@131.555,77.025 131.325,77.025 121.4,86.95 121.4,91.925 128.375,98.9 M1.8@128.375,100.65 128.375,104.1 131.486,107.211 R23.2@138.675,107.211 R21.2@141.4,107.211
EGND: M1.0 M1.9 M1.10 P17.5 P18.2 | length 39.1
  Top Layer w1: P18.2@123.625,88.61 123.625,87.225 125.6,85.25 M1.9@128.375,85.25 M1.10@130.375,85.25 ; v1(133.95,93.05) 134.27,92.73 M1.0@137.692,92.73
  Bottom Layer w1: P18.2@123.625,88.61 127.94,88.61 ; v1(133.95,93.05) 129.51,88.61 127.94,88.61 ; P17.5@134.095,77.025 134.095,82.455 127.94,88.61
EP_CLK: U3.51 U21.6 | length 20
  Top Layer w0.254: U3.51@140.442,49.372 142.003,49.372 143.383,47.992 U21.6@143.383,31.483
EP_DIO: U3.52 U21.5 | length 22.3
  Top Layer w0.254: U3.52@140.442,49.872 143.353,49.872 145.2,48.025 145.2,45.4 144.653,44.853 U21.5@144.653,31.483
EP_STB: U3.50 U21.7 | length 17.6
  Top Layer w0.254: U3.50@138.842,47.772 138.842,46.908 142.113,43.637 U21.7@142.113,31.483